# Altium PCB PCB.PcbDoc (part 2 of 2)
Units mm, origin at the board's own origin, x right, y up, seen from the top; angles counter-clockwise.
Board outline 130 x 110 mm, 4 copper layers (Top Layer, Int1 (GND), Int2 (PWR), Bottom Layer), stack 1.369 mm thick; 198 components, 115 nets, 608 pads, 274 vias.
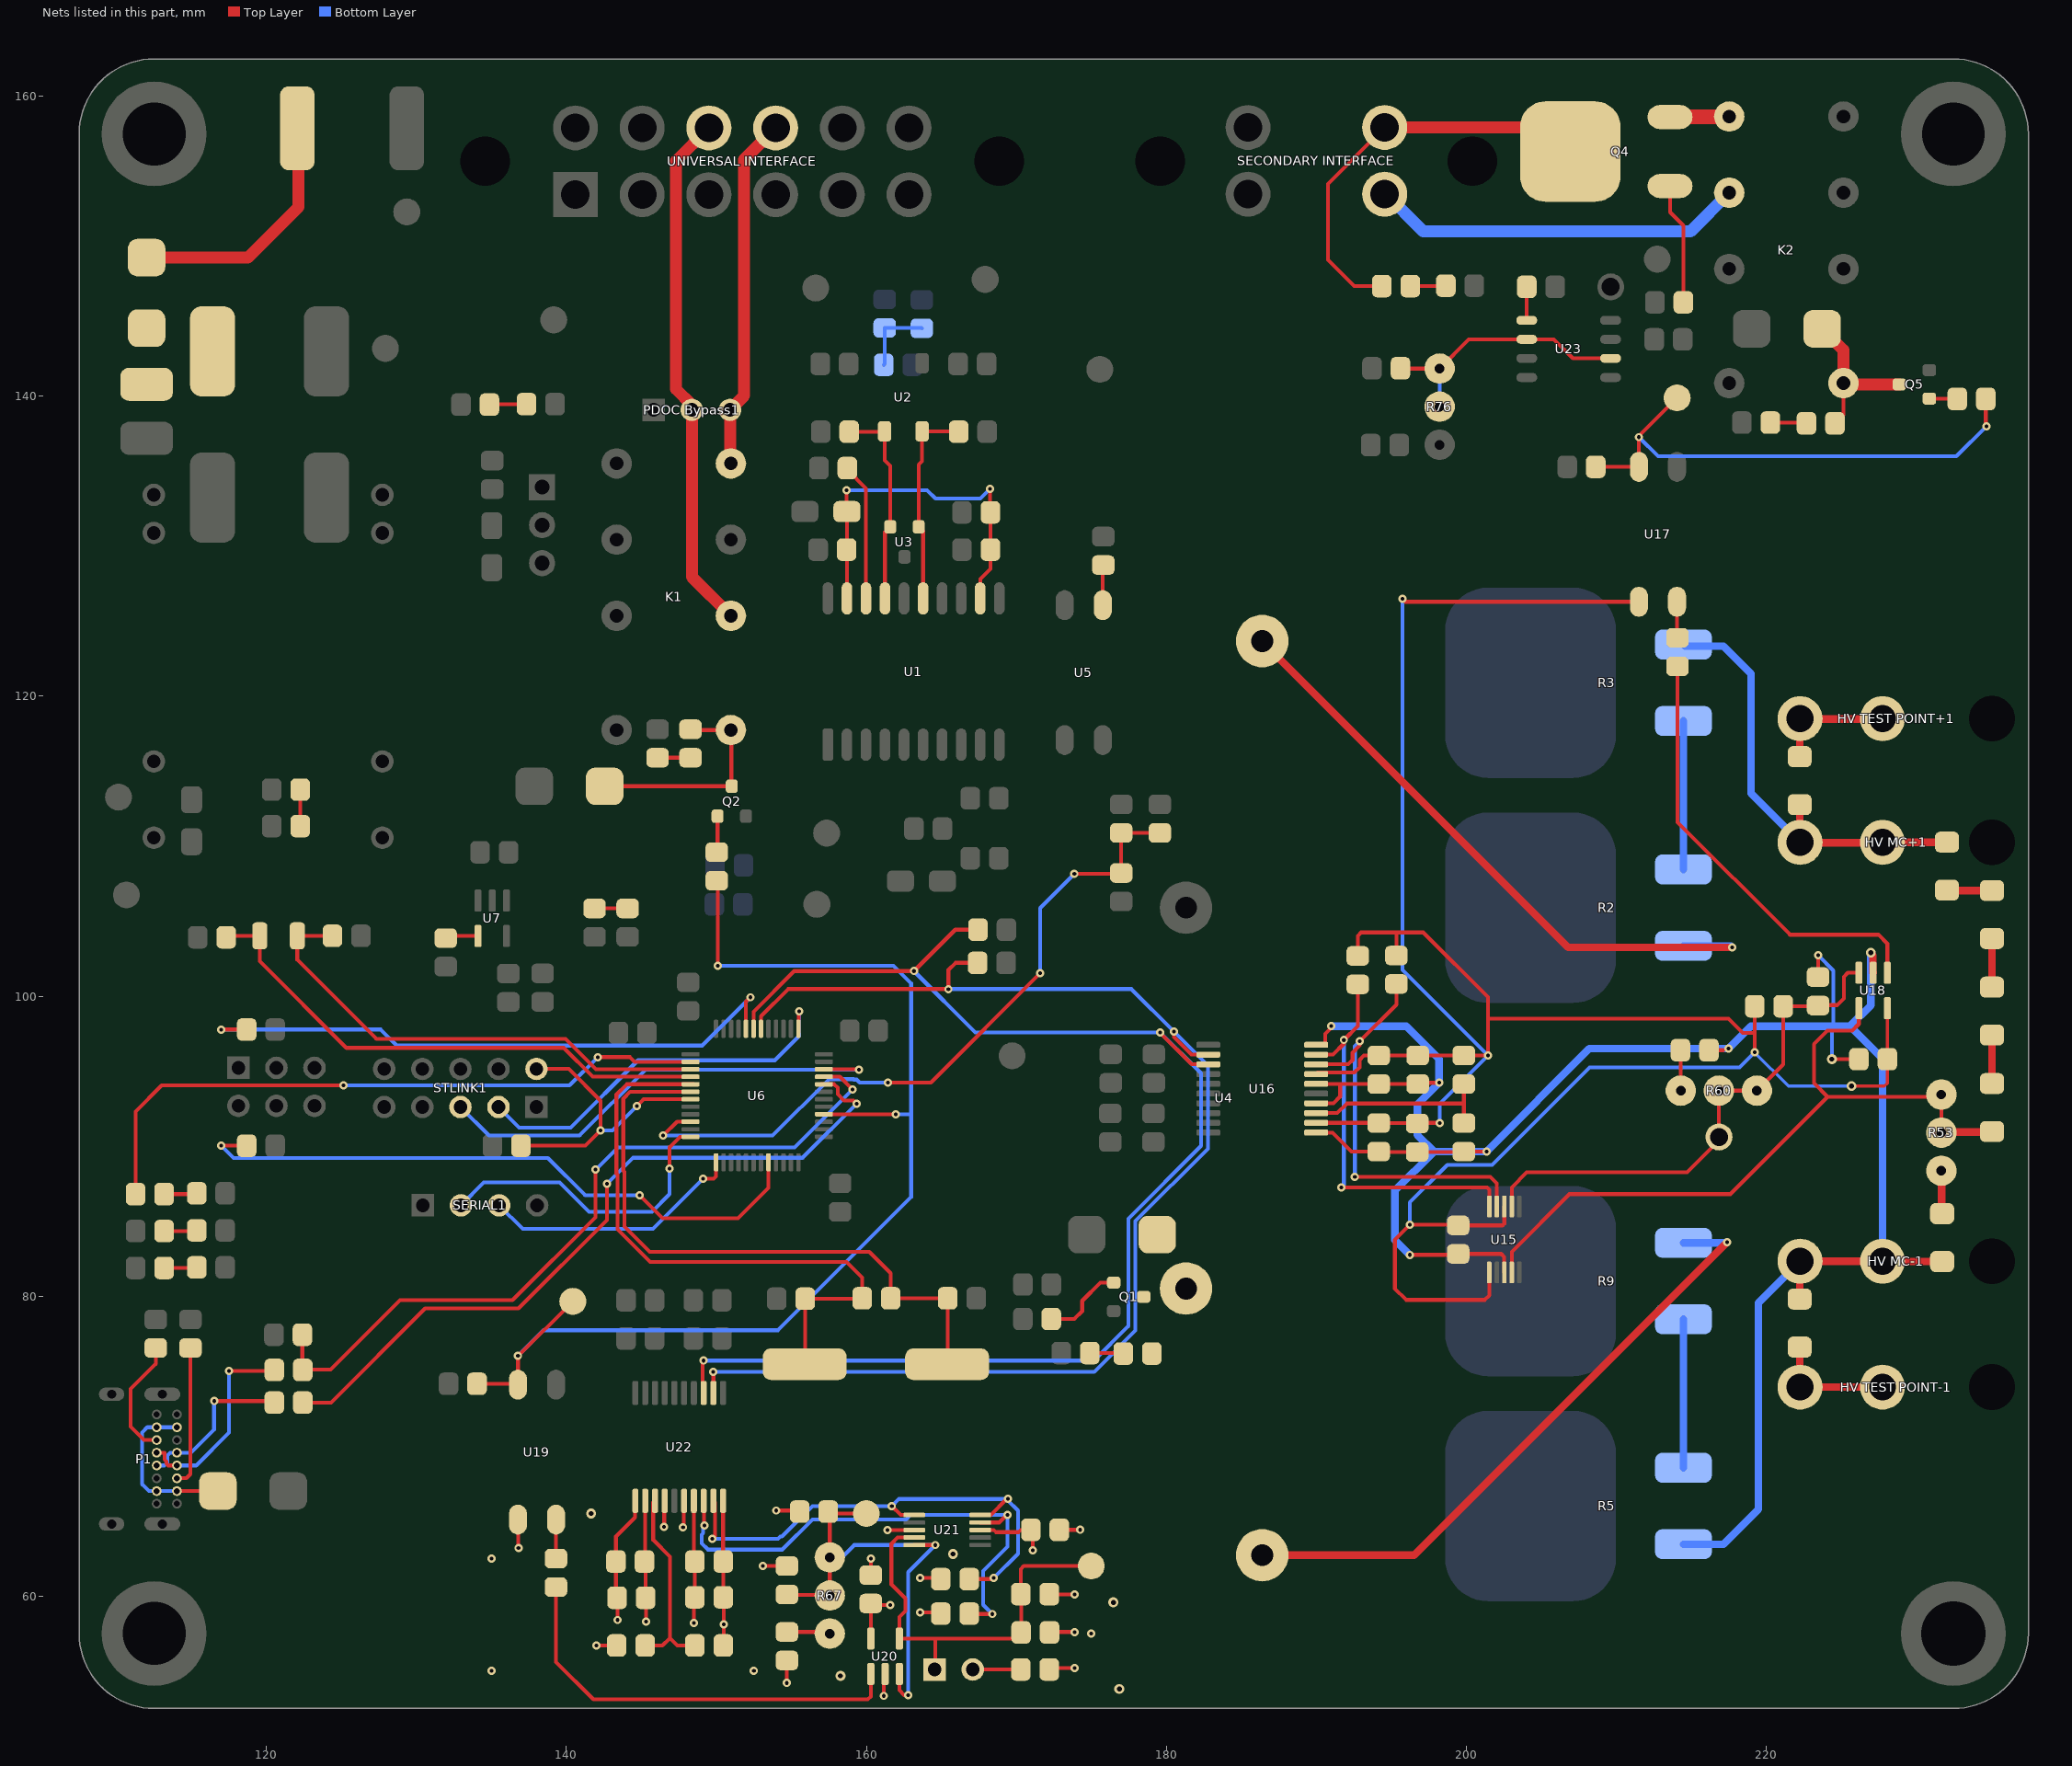
[diagram p4: the nets of this part, all layers, seen from the top]

## Via types
v1: diameter 0.55, hole 0.25, Top Layer to Bottom Layer, tented both sides, 247 vias
v2: diameter 0.66, hole 0.33, Top Layer to Bottom Layer, tented both sides, 19 vias
v3: diameter 0.66, hole 0.33, Top Layer to Bottom Layer, 8 vias

## Nets (pads, with @x,y where several pads share a name; then routed paths per layer and width w, separated by ;. In a path a pad name is that pad's centre, name@x,y a point inside that pad or via, vN(x,y) a via of type N, cw(c..) or ccw(c..) an arc to the next point about the centre after c; other vN are vias at no path point) (continued)
GNDISO: C48.1 C49.1 C50.1 C51.2 C52.1 C53.1 C54.1 C55.2 R65.1 R68.1 R72.1 U20.2 U21.3 U22.11 U22.14 U22.16 U22.20 | length 34.1
  Top Layer w0.254: v1(143.4,58.4) 143.4,59.856 C54.1@143.372,59.884 143.3,59.956 C55.2@143.3,62.3 143.3,63.968 144.573,65.241 144.573,66.32 U22.11@144.599,66.346 ; v1(146.5,64.6) 146.524,64.624 146.524,66.321 U22.14@146.549,66.346 ; v1(147.777,64.592) 147.824,64.639 147.824,66.321 U22.16@147.849,66.346 ; U22.20@150.449,66.346 150.449,62.313 C52.1@150.462,62.3 C53.1@150.462,59.915 150.5,59.877 v1(150.5,58.1) 150.5,56.738 R72.1@150.462,56.7 ; v1(153.1,62) C50.1@154.7,62 ; v1(154.7,54.2) R68.1@154.7,55.7 ; C49.1@160.3,61.4 v1(160.299,62.484) ; v1(161.163,53.34) 161.163,54.663 161.275,54.775 U20.2@161.25,54.8 ; v1(161.4,64.4) U21.3@163.2,64.4 ; R65.1@172.2,55.1 172.3,55.2 v1(173.9,55.2) ; C48.1@172.2,60.126 172.226,60.1 v1(173.9,60.1) ; C51.2@172.871,64.414 v1(174.271,64.414)
  other v1: 135,55 152.5,55 175,57.5 135,62.5
  other v2: 176.875,53.8 176.475,59.575 165.775,62.8
  other v3: 158.275,54.675 141.65,65.5
"Green In": "PDOC Bypass1.2" "UNIVERSAL INTERFACE.10" K1.13 | length 35
  Top Layer w0.8: 149.5,157.9 147.3,155.7 147.3,140.482 148.365,139.417 148.365,139.1 148.365,127.964 K1.13@150.964,125.365
"Green Out": "PDOC Bypass1.3" "UNIVERSAL INTERFACE.9" K1.9 | length 23.7
  Top Layer w0.8: K1.9@150.964,135.525 150.935,135.555 150.935,139.071 150.905,139.1 151.85,140.045 151.85,155.8 153.95,157.9
"HV MC+": "HV MC+1.1" "HV MC+1.2" R3.1 R29.2 R47.2 | length 30.3
  Top Layer w0.508: R29.2@222.25,112.775 222.263,112.762 222.263,110.244 222.276,110.231 227.776,110.231 ; 227.776,110.256 227.785,110.266 232.066,110.266 R47.2@232.075,110.275
  Bottom Layer w0.508: R3.1@214.5,123.45 214.612,123.338 217.162,123.338 219,121.5 219,113.532 222.276,110.256
"HV MC-": "HV MC-1.1" "HV MC-1.2" C37.2 C38.1 C39.1 C40.1 C41.2 C46.1 C47.1 R5.2 R30.2 R54.1 R56.1 R61.1 U15.3 U16.11 U16.14 U16.16 U16.20 U18.2 | length 157.8
  Top Layer w0.254: U16.11@190.006,90.903 191.097,90.903 192.362,89.638 C40.1@194.172,89.638 194.197,89.614 C41.2@196.745,89.614 199.827,89.614 R56.1@199.851,89.638 v1(201.362,89.638) ; U16.14@190.006,92.853 191.153,92.853 191.6,93.3 191.6,94.153 ; U16.16@190.006,94.153 191.6,94.153 ; U16.20@190.006,96.753 190.506,96.753 190.604,96.851 190.604,97.498 191,97.893 v1(191,98) ; v1(196.25,82.75) 199.412,82.75 C37.2@199.474,82.812 202.338,82.812 202.527,82.623 202.527,81.598 U15.3@202.55,81.575 ; v1(198.2,94.225) 196.863,94.225 C38.1@196.776,94.138 C39.1@194.172,94.138 194.157,94.153 191.6,94.153 ; R61.1@216.2,96.4 217.155,96.4 ; C47.1@223.478,101.276 v1(223.478,102.728) ; v3(224.4,95.8) C46.1@226.2,95.8
  Top Layer w0.508: R30.2@222.25,79.8 222.263,79.813 222.263,82.312 222.276,82.325 227.776,82.325 227.789,82.313 231.737,82.313 R54.1@231.75,82.3 ; v3(227,102.9) 227,102.859 227.137,102.722 227.137,101.575 U18.2@227.15,101.562
  Bottom Layer w0.254: v1(223.478,102.728) 224.5,101.706 224.5,98 224.4,97.9 v3(224.4,95.8)
  Bottom Layer w0.508: v1(191,98) 196,98 198.2,95.8 v1(198.2,94.225) 196.75,92.775 196.75,90.75 197.862,89.638 ; v1(196.25,82.75) 195.25,83.75 195.25,87.026 197.862,89.638 ; R5.2@214.5,63.451 217.162,63.451 219.5,65.789 219.5,79.549 222.276,82.325 ; v3(227,102.9) 227,99.4 225.6,98 ; 227.776,82.325 227.776,95.824 225.6,98 ; 197.862,89.638 v1(201.362,89.638) 208.224,96.5 v1(217.5,96.5) 219,98 224.5,98 225.6,98
HV_VDDISO: C37.1 C38.2 C39.2 C40.2 C41.1 C46.2 R51.2 R52.2 R55.2 R59.2 U15.1 U15.8 U16.12 U16.17 U17.1 U18.5 | length 177.6
  Top Layer w0.203: v3(225.7,94) 227.9,94 228.1,94.2 C46.2@228.1,95.8 U18.5@228.1,99.2
  Top Layer w0.254: U16.12@190.006,91.553 194.157,91.553 C40.2@194.172,91.538 196.72,91.538 C41.1@196.745,91.514 196.781,91.55 v1(198.25,91.55) ; U16.17@190.006,94.803 190.104,94.901 192.551,94.901 192.904,95.254 192.904,95.754 193.188,96.038 C39.2@194.172,96.038 C38.2@196.776,96.038 R55.2@199.851,96.038 v1(201.462,96.038) 201.462,98.5 ; R51.2@192.776,102.688 192.776,104.026 193,104.25 195.35,104.25 ; R52.2@195.351,102.713 195.351,104.249 195.35,104.25 ; v1(195.75,126.5) 195.95,126.3 U17.1@211.53,126.3 ; U15.1@201.55,81.575 201.55,80.05 201.25,79.75 196,79.75 195.25,80.5 195.25,83.75 v1(196.25,84.75) 199.436,84.75 C37.1@199.474,84.712 202.431,84.712 202.55,84.831 U15.8@202.55,85.975 ; v1(219.25,96.25) 219.25,97.538 ; R59.2@219.25,99.325 219.25,97.538 ; 195.35,104.25 197.15,104.25 201.462,99.938 201.462,98.5 ; 201.462,98.5 217.5,98.5 218.462,97.538 219.25,97.538
  Bottom Layer w0.203: v1(219.25,96.25) 221.5,94 v3(225.7,94)
  Bottom Layer w0.254: v1(195.75,126.5) 195.75,101.75 v1(201.462,96.038) 198.25,92.826 v1(198.25,91.55) ; v1(196.25,84.75) 196.25,86.25 198.75,88.75 201.75,88.75 208.25,95.25 218.25,95.25 v1(219.25,96.25)
NetC3_2: C3.2 C4.2 C5.2 C6.2 U1.12 U1.19 | length 24.9
  Top Layer w0.254: v1(158.683,133.74) 158.683,132.339 C4.2@158.705,132.317 158.705,129.793 C6.2@158.689,129.777 158.706,129.76 U1.19@158.706,126.523 ; U1.12@167.596,126.523 167.596,127.819 168.28,128.503 C5.2@168.28,129.777 C3.2@168.28,132.262 168.259,132.283 v1(168.259,133.841)
  Bottom Layer w0.254: v1(158.683,133.74) 164.056,133.74 164.614,133.181 167.598,133.181 v1(168.259,133.841)
NetC9_2: "CAN TERM R1.1" "CAN TERM R2.2" C9.2 | length 5
  Bottom Layer w0.254: C9.2@161.162,142.099 161.224,142.161 161.224,144.563 163.677,144.563 163.701,144.539
NetC12_2: C12.2 U1.15 U2.4 U3.1 | length 13.8
  Top Layer w0.254: U1.15@163.786,126.523 163.786,131.002 U3.1@163.494,131.295 163.494,135.444 163.719,135.669 U2.4@163.719,137.665 166.129,137.665 C12.2@166.155,137.638
NetC13_2: C13.2 U1.17 U2.3 U3.2 | length 13.8
  Top Layer w0.254: C13.2@158.855,137.638 161.193,137.638 U2.3@161.219,137.665 161.219,135.731 161.594,135.356 U3.2@161.594,131.295 161.246,130.947 U1.17@161.246,126.523
NetC24_2: C24.2 U7.4 | length 2.2
  Top Layer w0.254: C24.2@131.95,103.875 132.088,104.013 U7.4@134.1,104.013
NetC29_2: C29.2 D6.K L1.2
NetC47_2: "TSAL REF TP1.1" C47.2 R59.1 R60.1 R60.2 U15.7 U18.3 | length 35.5
  Top Layer w0.254: U15.7@203.05,85.975 203.05,87.25 204.05,88.25 214.75,88.25 216.869,90.369 216.869,90.611 216.865,90.616 216.865,93.695 R60.2@216.86,93.7 R60.1@219.4,93.7 221.15,95.45 R59.1@221.15,99.325 223.427,99.325 C47.2@223.478,99.376 223.602,99.5 223.702,99.4 224.751,99.4 225.2,99.849 225.2,101.3 225.462,101.562 U18.3@226.2,101.562
NetC48_2: "PDOC NTC1.1" "PDOC TEMP TP.1" C48.2 R63.1 U20.4 U21.4 | length 28
  Top Layer w0.254: U21.4@163.2,63.9 162.094,63.9 161.671,63.477 161.671,60.782 162.611,59.842 162.611,59.004 162.2,58.593 U20.4@162.2,57.162 164.6,57.162 ; 164.6,55.1 164.6,57.162 ; 175,62 170.5,62 170.3,61.8 C48.2@170.3,60.126 170.324,60.102 R63.1@170.324,57.574 169.913,57.162 164.6,57.162
NetC50_2: "PDOC TEMP REF TP.1" C50.2 R66.1 R67.1 R67.2 U20.3 U21.5 | length 32.2
  Top Layer w0.254: C50.2@154.7,60.1 154.734,60.066 157.529,60.066 R67.2@157.563,60.032 R67.1@157.563,62.572 157.563,65.525 157.588,65.5 160,65.5 ; U20.3@162.2,54.8 162.2,53.713 162.522,53.391 v1(162.789,53.391) ; U21.5@163.2,63.4 v1(164.6,63.4)
  Bottom Layer w0.254: R67.1@157.563,62.572 158.363,62.572 159.191,63.4 v1(164.6,63.4) 162.789,61.589 v1(162.789,53.391)
NetC60_2: C60.2 U23.5 | length 2.2
  Top Layer w0.254: U23.5@204.05,145.07 C60.2@204.05,147.3
"NetCAN RX INDC1_K": "CAN RX INDC1.K" R14.2 | length 2.2
  Top Layer w0.254: R14.2@113.163,81.874 115.295,81.874 115.337,81.916
"NetCAN TX INDC1_K": "CAN TX INDC1.K" R13.2 | length 2.2
  Top Layer w0.254: R13.2@113.163,84.337 115.29,84.337 115.337,84.384
NetD1_A: D1.A D2.K Q1.D U4.3
NetD2_A: D2.A R4.1 | length 2.3
  Top Layer w0.254: R4.1@174.9,76.2 177.107,76.2 D2.A@177.138,76.169
NetD3_K: D3.K R11.2 | length 2.2
  Top Layer w0.254: R11.2@141.875,105.85 D3.K@144.08,105.85
NetD4_K: D4.K R12.2 | length 2.2
  Top Layer w0.254: R12.2@113.163,86.799 115.285,86.799 D4.K@115.337,86.851
NetD5_A: D5.A P1.A4 P1.A9 P1.B4 P1.B9 | length 11.2
  Top Layer w0.254: P1.A4@114.025,67.002 116.748,67.002 D5.A@116.75,67
  Bottom Layer w0.254: P1.A4@114.025,67.002 P1.B9@112.675,67.002 112.148,67.002 111.7,67.45 111.7,70.907 112.045,71.252 P1.B4@112.675,71.252 P1.A9@114.025,71.252
NetD6_A: D6.A F1.2 | length 17
  Top Layer w0.8: D6.A@112,149.25 118.75,149.25 122.125,152.625 F1.2@122.125,158.15
NetD7_K: D7.K R25.2 | length 2.5
  Top Layer w0.254: R25.2@134.863,139.449 134.894,139.48 D7.K@137.337,139.48
NetD8_K: D8.K R26.2 | length 2.4
  Top Layer w0.254: R26.2@122.238,111.344 D8.K@122.238,113.774
NetD11_A: D11.A K1.16 Q2.D R33.1 | length 15
  Top Layer w0.254: D11.A@142.55,114 Q2.D@151.025,114 150.995,114.03 150.995,117.715 K1.16@150.964,117.745 148.33,117.745 R33.1@148.275,117.8
NetD12_K: D12.K R33.2 | length 2.2
  Top Layer w0.254: D12.K@146.075,115.9 R33.2@148.275,115.9
NetD14_K: D14.K R73.2 | length 2.4
  Top Layer w0.254: R73.2@196.286,147.352 198.62,147.352 D14.K@198.652,147.383
NetD15_A: D15.A D16.K K2.16 Q5.D | length 10.9
  Top Layer w0.254: D16.K@224.6,138.2 225.17,138.77 K2.16@225.17,140.88
  Top Layer w0.8: D15.A@223.75,144.5 225.17,143.08 K2.16@225.17,140.88 225.25,140.8 Q5.D@228.9,140.8
NetD16_A: D16.A R79.1 | length 2.4
  Top Layer w0.254: R79.1@220.3,138.25 222.65,138.25 D16.A@222.7,138.2
"NetHV TEST POINT+1_1": "HV TEST POINT+1.1" "HV TEST POINT+1.2" R29.1 | length 8
  Top Layer w0.508: R29.1@222.25,115.975 222.263,115.988 222.263,118.468 222.276,118.481 227.776,118.481
"NetHV TEST POINT-1_1": "HV TEST POINT-1.1" "HV TEST POINT-1.2" R30.1 | length 8.2
  Top Layer w0.508: R30.1@222.25,76.6 222.263,76.587 222.263,73.944 222.276,73.931 227.776,73.931
NetK2_8: K2.8 Q4.S | length 4
  Top Layer w1: Q4.S@213.6,158.625 213.617,158.642 217.533,158.642 K2.8@217.55,158.66
NetP1_A5: P1.A5 R22.1 | length 9.4
  Top Layer w0.254: P1.A5@114.025,67.852 114.655,67.852 114.926,68.123 R22.1@114.926,76.538
NetP1_A6: P1.A6 P1.B6 R20.1 | length 13.5
  Top Layer w0.254: P1.B6@112.675,69.552 113.198,69.552 113.198,69.101 113.327,68.972 113.327,68.831 113.456,68.702 P1.A6@114.025,68.702 ; v1(117.5,75) 120.439,75 R20.1@120.513,75.074
  Bottom Layer w0.254: P1.A6@114.141,68.702 115.302,68.702 117.5,70.9 v1(117.5,75)
NetP1_A7: P1.A7 P1.B7 R21.1 | length 11
  Top Layer w0.254: v1(116.5,73) 120.413,73 R21.1@120.513,72.9
  Bottom Layer w0.254: P1.B7@112.757,68.702 113.175,68.702 113.387,68.915 113.387,69.362 113.577,69.552 P1.A7@114.025,69.552 114.952,69.552 116.5,71.1 v1(116.5,73)
NetP1_B5: P1.B5 R23.1 | length 8
  Top Layer w0.254: R23.1@112.61,76.538 112.61,75.485 110.937,73.812 110.937,71.288 111.823,70.402 P1.B5@112.675,70.402
"NetPDOC NTC1_2": "PDOC NTC1.2" R65.2 | length 3.2
  Top Layer w0.254: 167.14,55.1 R65.2@170.3,55.1
NetQ1_G: Q1.G R8.2 | length 5.6
  Top Layer w0.254: R8.2@172.338,78.474 173.874,78.474 174.4,79 174.4,79.683 175.617,80.9 Q1.G@176.5,80.9
NetQ2_G: Q2.G R34.2 | length 2.4
  Top Layer w0.254: R34.2@150.025,109.6 150.075,109.65 Q2.G@150.075,112
NetQ4_G: Q4.G R75.2 | length 8.1
  Top Layer w0.254: Q4.G@213.6,154.025 213.6,152.275 214.488,151.387 R75.2@214.488,146.274
NetQ5_G: Q5.G R78.2 | length 1.9
  Top Layer w0.254: Q5.G@230.9,139.85 232.738,139.85 R78.2@232.762,139.826
NetR1_2: R1.2 U1.18 | length 9.2
  Top Layer w0.254: R1.2@158.732,135.212 158.732,135.112 159.976,133.868 U1.18@159.976,126.523
NetR2_1: R2.1 R3.2 | length 9.9
  Bottom Layer w0.508: R2.1@214.5,108.45 R3.2@214.5,118.35
NetR2_2: R2.2 U4.1 | length 43.1
  Top Layer w0.508: U4.1@186.38,123.68 206.81,103.25 v1(217.75,103.25)
  Bottom Layer w0.508: R2.2@214.5,103.35 217.65,103.35 v1(217.75,103.25)
NetR5_1: R5.1 R9.2 | length 9.9
  Bottom Layer w0.508: R5.1@214.5,68.551 R9.2@214.5,78.451
NetR6_1: R6.1 U5.1 | length 2.7
  Top Layer w0.254: U5.1@175.77,126.075 175.77,128.72 R6.1@175.8,128.75
NetR9_1: R9.1 U4.4 | length 42.6
  Top Layer w0.508: U4.4@186.38,62.72 U4.4@186.405,62.72 196.52,62.72 v1(217.4,83.6)
  Bottom Layer w0.508: R9.1@214.5,83.551 217.351,83.551 v1(217.4,83.6)
NetR15_1: R15.1 U6.20 | length 42.9
  Top Layer w0.254: v1(116.975,90.025) R15.1@118.675,90.025 ; v1(144.875,86.725) 146.408,85.192 151.45,85.192 153.475,87.217 U6.20@153.475,89.125
  Bottom Layer w0.254: v1(116.975,90.025) 117.789,89.211 138.764,89.211 141.25,86.725 v1(144.875,86.725)
NetR18_2: R18.2 U6.44 | length 41.2
  Top Layer w0.254: v1(116.975,97.775) R18.2@118.675,97.775 ; U6.44@151.975,97.625 151.975,99.625 v1(152.275,99.925)
  Bottom Layer w0.254: v1(116.975,97.775) 127.612,97.775 128.68,96.707 149.057,96.707 v1(152.275,99.925)
NetR47_1: R47.1 R48.2 | length 3
  Top Layer w0.508: R47.1@232.075,107.075 232.108,107.042 R48.2@235.075,107.042
NetR48_1: R48.1 R49.2 | length 3.2
  Top Layer w0.508: R49.2@235.075,100.608 R48.1@235.075,103.842
NetR49_1: R49.1 R50.2 | length 3.2
  Top Layer w0.508: R50.2@235.075,94.175 R49.1@235.075,97.408
NetR50_1: R50.1 R53.2 R53.3 U15.4 U18.4 | length 48.7
  Top Layer w0.254: U15.4@203.05,81.575 203.05,82.95 206.9,86.8 217.622,86.8 224.111,93.289 ; U18.4@226.2,99.2 226.2,98.149 225.751,97.7 224.1,97.7 223.2,96.8 223.2,94.2 224.111,93.289 ; R53.2@231.7,90.9 R53.3@231.7,93.44 231.549,93.289 224.111,93.289
  Top Layer w0.508: R53.2@231.7,90.9 231.737,90.937 234.785,90.937 R50.1@234.949,91.101
NetR51_1: R51.1 U15.10 U16.19 | length 27.5
  Top Layer w0.254: U16.19@190.006,96.103 191.127,96.103 191.85,96.826 v1(191.85,97.075) 192.776,98.001 R51.1@192.776,100.788 ; v1(191.668,87.249) 201.401,87.249 201.55,87.1 U15.10@201.55,85.975
  Bottom Layer w0.254: v1(191.668,87.249) 191.85,87.431 v1(191.85,97.075)
NetR52_1: R52.1 U15.9 U16.18 | length 29.2
  Top Layer w0.254: U16.18@190.006,95.453 192.151,95.453 192.43,95.733 192.43,96.23 192.913,96.713 v1(192.913,96.997) 195.351,99.436 R52.1@195.351,100.813 ; v1(192.583,87.96) 201.615,87.96 202.05,87.525 U15.9@202.05,85.975
  Bottom Layer w0.254: v1(192.583,87.96) 192.583,96.667 v1(192.913,96.997)
NetR53_1: R53.1 R54.2 | length 2.9
  Top Layer w0.508: R53.1@231.7,88.36 231.725,88.335 231.725,85.525 R54.2@231.75,85.5
NetR58_1: R58.1 U18.1 | length 29.7
  Top Layer w0.254: R58.1@214.1,122 214.1,111.6 221.6,104.1 227.5,104.1 228.1,103.5 U18.1@228.1,101.562
NetR58_2: R58.2 U17.2 | length 2.4
  Top Layer w0.254: U17.2@214.07,126.3 214.07,123.93 R58.2@214.1,123.9
NetR60_3: R60.3 R61.2 | length 2.7
  Top Layer w0.254: R61.2@214.3,96.4 214.32,96.38 R60.3@214.32,93.7
NetR64_1: R64.1 U20.1 | length 28.6
  Top Layer w0.254: R64.1@139.3,60.6 139.3,55.6 141.8,53.1 160.1,53.1 160.3,53.3 U20.1@160.3,54.8
NetR64_2: R64.2 U19.2 | length 2.6
  Top Layer w0.254: R64.2@139.3,62.5 139.3,65.09 U19.2@139.306,65.096
NetR67_3: R67.3 R68.2 | length 2.9
  Top Layer w0.254: R68.2@154.7,57.6 157.455,57.6 R67.3@157.563,57.492
NetR69_1: R69.1 U21.1 U21.10 U22.19 | length 35.4
  Top Layer w0.254: v1(149.733,63.805) 149.911,63.983 149.911,66.234 U22.19@149.799,66.346 ; v1(161.7,66) 162.3,65.4 U21.1@163.2,65.4 ; R69.1@166.862,61.126 168.426,61.126 v1(168.5,61.2) ; U21.10@167.6,65.4 168.3,65.4 169.369,66.469 v1(169.455,66.469)
  Bottom Layer w0.254: v1(149.733,63.805) 154.103,63.805 154.255,63.957 154.37,63.957 156.413,66 v1(161.7,66) 162.169,66.469 v1(169.455,66.469) 169.455,66.361 170.117,65.7 170.117,62.817 v1(168.5,61.2)
NetR70_1: R70.1 U21.9 U22.18 | length 35.5
  Top Layer w0.254: U22.18@149.149,66.346 149.174,66.32 149.174,64.725 v1(149.2,64.7) ; R70.1@166.862,58.826 166.888,58.8 v1(168.4,58.8) ; U21.9@167.6,64.9 168.862,64.9 169.367,65.405 v1(169.405,65.405)
  Bottom Layer w0.254: v1(149.2,64.7) 149.122,64.622 149.122,64.2 149.022,64.099 149.022,63.51 149.438,63.094 154.394,63.094 156.411,65.111 162.651,65.111 162.945,65.405 v1(169.405,65.405) 169.405,63.284 167.789,61.668 167.789,59.411 v1(168.4,58.8)
NRST: R31.1 STLINK1.2 U6.7 | length 19.9
  Top Layer w0.254: R31.1@136.962,90.026 141.251,90.026 v1(142.275,91.05) 142.275,93.025 140.15,95.15 STLINK1.2@138.005,95.15 ; v1(144.704,92.685) 145.144,93.125 U6.7@148.475,93.125
  Bottom Layer w0.254: v1(142.275,91.05) 143.069,91.05 v1(144.704,92.685)
PC13: R12.1 U6.2 | length 44.4
  Top Layer w0.254: R12.1@111.263,86.799 111.263,92.313 113,94.05 v1(125.125,94.05) ; v1(142.088,95.936) 144.238,95.936 144.549,95.625 U6.2@148.475,95.625
  Bottom Layer w0.254: v1(125.125,94.05) 140.202,94.05 v1(142.088,95.936)
"PCB TEMP": "PCB NTC1.2" C14.2 R10.1 U6.10 | length 48.2
  Top Layer w0.254: v1(146.456,90.703) 147.378,91.625 U6.10@148.475,91.625 ; v1(161.442,94.234) 164.309,94.234 v1(171.6,101.525) ; v1(173.875,108.15) 176.934,108.15 R10.1@176.996,108.212 176.996,110.885 C14.2@179.574,110.885
  Bottom Layer w0.254: v1(146.456,90.703) 153.753,90.703 157.513,94.463 159.141,94.463 159.168,94.436 159.354,94.436 159.556,94.234 v1(161.442,94.234) ; v1(171.6,101.525) 171.6,105.875 v1(173.875,108.15)
"PDOC OK (ISO)": "PDOC OK TP.1" R34.1 R62.1 U6.28 U19.4 | length 79.8
  Top Layer w0.254: R62.1@134.037,74.151 136.711,74.151 U19.4@136.766,74.096 v1(136.766,76.016) 136.791,76.016 140.425,79.65 ; R34.1@150.025,107.7 150.1,107.625 v1(150.1,102.025) ; U6.28@156.975,92.125 v1(161.95,92.125)
  Bottom Layer w0.254: v1(136.766,76.016) 138.475,77.725 154.103,77.725 162.986,86.608 162.986,92.125 ; v1(150.1,102.025) 161.819,102.025 162.986,100.858 162.986,92.125 ; v1(161.95,92.125) 162.986,92.125
SCL: R16.1 U6.42 U16.2 U22.2 | length 90.6
  Top Layer w0.254: U22.2@149.799,73.546 v1(149.799,74.949) ; U6.42@152.975,97.625 152.975,98.67 154.78,100.475 v1(165.475,100.475) 165.475,101.75 165.947,102.222 R16.1@167.418,102.222 ; v1(180.518,97.638) 180.518,97.278 181.693,96.103 U16.2@182.806,96.103
  Bottom Layer w0.254: v1(149.799,74.949) 175.199,74.949 177.95,77.7 177.95,84.996 182.782,89.828 182.782,95.373 v1(180.518,97.638) 177.68,100.475 v1(165.475,100.475)
SDA: R17.1 U6.43 U16.3 U22.3 | length 95
  Top Layer w0.254: U22.3@149.149,73.546 149.088,73.607 149.088,75.638 v1(149.149,75.699) ; U6.43@152.475,97.625 152.475,98.957 155.193,101.675 v1(163.175,101.675) 165.932,104.432 R17.1@167.443,104.432 ; v1(179.603,97.587) 179.603,97.546 181.697,95.453 U16.3@182.806,95.453
  Bottom Layer w0.254: v1(149.149,75.699) 175.174,75.699 177.475,78 177.475,85.168 182.325,90.018 182.325,94.865 v1(179.603,97.587) 167.263,97.587 v1(163.175,101.675)
SWCLK: STLINK1.3 U6.37 | length 26.2
  Top Layer w0.254: U6.37@155.475,97.625 155.5,97.65 155.5,98.975 v1(155.525,99)
  Bottom Layer w0.254: STLINK1.3@135.465,92.61 136.85,91.225 140.275,91.225 144.775,95.725 153.9,95.725 155.525,97.35 v1(155.525,99)
SWDIO: STLINK1.5 U6.34 | length 31.5
  Top Layer w0.254: U6.34@157.175,95.125 159.485,95.125 v1(159.512,95.098)
  Bottom Layer w0.254: STLINK1.5@132.925,92.61 134.835,90.7 140.875,90.7 145.273,95.098 v1(159.512,95.098)
Trigger: C61.2 R76.1 R76.2 U23.2 U23.6 | length 17.9
  Top Layer w0.254: C61.2@195.625,141.875 195.649,141.851 R76.1@198.234,141.851 200.183,143.8 U23.6@204.05,143.8 205.85,143.8 207.12,142.53 U23.2@209.638,142.53
  Bottom Layer w0.254: R76.2@198.234,139.311 R76.1@198.234,141.851
"TSAL Active": "TSAL RELAY TP.1" R57.1 R78.1 U17.4 | length 35
  Top Layer w0.254: R57.1@208.65,135.298 211.528,135.298 U17.4@211.53,135.3 v1(211.53,137.28) 211.53,137.355 214.075,139.9 ; v1@234.662,137.938 R78.1@234.662,139.826
  Bottom Layer w0.254: v1(211.53,137.28) 212.81,136 232.7,136 v1(234.7,138)
"TSAL Green": "SECONDARY INTERFACE.3" K2.6 | length 25.1
  Bottom Layer w0.8: 194.575,153.58 197.155,151 214.97,151 K2.6@217.55,153.58
"TSAL Red": "SECONDARY INTERFACE.4" Q4.D R73.1 | length 27.7
  Top Layer w0.254: R73.1@194.386,147.352 192.548,147.352 190.8,149.1 190.8,154.155 194.575,157.93
  Top Layer w0.8: 194.575,157.93 205.345,157.93 Q4.D@206.95,156.325
UARTRX: SERIAL1.3 U6.13 | length 17.7
  Top Layer w0.254: v1(149.125,87.825) 149.825,87.825 149.975,87.975 U6.13@149.975,89.125
  Bottom Layer w0.254: SERIAL1.3@135.505,86.05 137.08,84.475 145.775,84.475 v1(149.125,87.825)
UARTTX: SERIAL1.2 U6.12 | length 20.9
  Top Layer w0.254: v1(146.875,88.5) 146.875,89.925 147.57,90.62 148.47,90.62 U6.12@148.475,90.625
  Bottom Layer w0.254: SERIAL1.2@132.965,86.05 134.49,87.575 139.55,87.575 141.5,85.625 145.7,85.625 146.875,86.8 v1(146.875,88.5)
USBDM: R21.2 U6.32 | length 49.8
  Top Layer w0.254: R21.2@122.413,72.9 124.3,72.9 130.575,79.175 136.8,79.175 142.697,85.072 v1(142.697,87.478) ; U6.32@156.975,94.125 U6.32@157.175,94.125 157.861,94.125 158.09,93.896 158.09,93.46 158.51,93.04 159.135,93.04 v1(159.35,92.825)
  Bottom Layer w0.254: v1(142.697,87.478) 144.445,89.225 155.75,89.225 v1(159.35,92.825)
USBDP: R19.1 R20.2 U6.33 | length 51.1
  Top Layer w0.254: R19.1@122.388,77.426 122.388,75.098 124.273,75.098 128.9,79.725 136.4,79.725 141.925,85.25 v1(141.925,88.45) ; U6.33@156.975,94.625 U6.33@157.175,94.625 158.237,94.625 v1(159.083,93.78)
  Bottom Layer w0.254: v1(141.925,88.45) 141.975,88.45 143.441,89.916 155.219,89.916 v1(159.083,93.78)
V_SEL: R71.1 R72.2 U22.13 | length 13.4
  Top Layer w0.254: R71.1@145.248,56.7 146.4,56.7 146.9,57.2 ; U22.13@145.899,66.346 145.789,66.236 145.789,63.736 146.9,62.625 146.9,57.2 ; R72.2@148.562,56.7 147.4,56.7 146.9,57.2
VDDISO: C49.2 C51.1 C52.2 C53.2 C54.2 C55.1 R63.2 R66.2 R69.2 R70.2 R71.2 U19.1 U20.5 U21.8 U22.12 U22.17 | length 33.6
  Top Layer w0.254: U19.1@136.766,65.096 136.783,65.079 136.783,63.217 v1(136.8,63.2) ; v1(142,56.7) R71.2@143.348,56.7 ; U22.12@145.249,66.346 145.249,62.349 C55.1@145.2,62.3 145.272,62.228 C54.2@145.272,59.884 145.3,59.856 v1(145.3,58.3) ; U22.17@148.499,66.346 148.489,66.336 148.489,62.373 C52.2@148.562,62.3 C53.2@148.562,59.915 148.5,59.853 v1(148.5,58.2) ; v1(154,65.7) 155.488,65.7 R66.2@155.562,65.626 ; U20.5@160.3,57.162 C49.2@160.3,59.5 160.4,59.4 v1(161.6,59.4) ; v1(163.6,58.9) 164.888,58.9 R70.2@164.962,58.826 ; v1(163.6,61.2) 164.888,61.2 R69.2@164.962,61.126 ; U21.8@167.6,64.4 168.503,64.4 168.641,64.262 170.162,64.262 170.3,64.4 ; C51.1@170.971,64.414 171.094,64.29 v1(171.094,63.043) ; R63.2@172.224,57.574 172.251,57.6 v1(173.9,57.6)
VSEL: R55.1 R56.2 U16.13 | length 12.7
  Top Layer w0.254: U16.13@190.006,92.203 191.403,92.203 192.038,92.838 199.851,92.838 ; R56.2@199.851,91.538 199.851,92.838 ; R55.1@199.851,94.138 199.851,92.838
XTALA: C25.2 R24.2 U6.5 X1.2 | length 41.7
  Top Layer w0.254: U6.5@148.475,94.125 144.024,94.125 143.332,93.433 143.332,88.172 143.408,88.096 143.408,84.445 145.578,82.275 158.675,82.275 159.725,81.225 R24.2@159.725,79.856 159.694,79.825 C25.2@155.925,79.825 155.925,75.491 X1.2@155.89,75.456
XTALB: C26.2 R24.1 U6.6 X1.1 | length 42.4
  Top Layer w0.254: U6.6@148.475,93.625 144.247,93.625 143.789,93.167 143.789,88.361 143.866,88.285 143.866,84.634 145.55,82.95 160.2,82.95 161.625,81.525 R24.1@161.625,79.856 C26.2@165.425,79.856 165.425,75.491 X1.1@165.39,75.456
XTALC: C15.2 U6.3 X2.1 | length 33.4
  Top Layer w0.254: C15.2@124.4,104.025 X2.1@122.05,104.025 122.05,102.425 127.325,97.15 139.946,97.15 141.971,95.125 U6.3@148.475,95.125
XTALD: C16.2 U6.4 X2.2 | length 36.2
  Top Layer w0.254: C16.2@117.25,103.875 C16.2@117.3,103.925 117.4,104.025 X2.2@119.55,104.025 119.55,102.325 125.325,96.55 139.825,96.55 141.75,94.625 U6.4@148.275,94.625 U6.4@148.475,94.625
pads on no net: "HV MC+1." "HV MC-1." "HV TEST POINT+1." "HV TEST POINT-1." "PDOC Bypass1.1" "SECONDARY INTERFACE.0" "UNIVERSAL INTERFACE.0" K1.4 K1.6 K1.8 K1.11 K2.9 K2.11 K2.13 P1.A8 P1.B8 P1.P2 P1.P3 P1.P4 R2. R3. R5. R9. STLINK1.4 STLINK1.6 STLINK1.9 STLINK1.10 U1.2 U1.14 U6.11 U6.14 U6.15 U6.16 U6.17 U6.21 U6.25 U6.26 U6.27 U6.29 U6.30 U6.31 U6.38 U6.39 U6.40 U6.41 U9.9 U9.11 U15.2 U15.5 U15.6 U16.6 U16.15 U21.2 U21.6 U21.7 U22.6 U22.15
copper on no net:
  other v2: 125.55,95.475

## Polygon pours and split planes (outlines as drawn)
GNDISO on Bottom Layer "Bottom Layer-GNDISO" (solid, remove dead copper, pour order 52): 131.725,52.5 131.725,66.9 132.85,66.9 132.875,66.875 178.45,66.875 178.45,52.5
GLV- on Bottom Layer "Bottom Layer-GLV-" (solid, remove dead copper, pour order 48): 107.5,124.6 178.45,124.6 178.45,133.75 237.525,133.75 237.525,162.5 107.5,162.5
"0V (ISO)" on Bottom Layer "Bottom Layer-0V (ISO)" (solid, remove dead copper, pour order 40): 107.5,118.6 180.225,118.6 183.45,115.375 183.45,72.9 125.725,72.9 125.725,52.5 107.5,52.5
no net on Bottom Layer "Bottom Layer-No Net 2" (solid, pour order 20): 114,114
no net on Bottom Layer "Bottom Layer-No Net" (solid, pour order 2): 309.5,453.7
no net on Bottom Layer "Bottom Layer-No Net 1" (solid, pour order 0): 309.5,453.7
GNDISO on Top Layer "Top Layer-GNDISO" (solid, remove dead copper, pour order 50): 131.725,66.875 178.45,66.875 178.45,52.5 131.725,52.5
GLV- on Top Layer "Top Layer-GLV-" (solid, remove dead copper, pour order 42): 107.5,124.6 178.45,124.6 178.45,133.75 237.5,133.75 237.5,162.5 107.5,162.5
"0V (ISO)" on Top Layer "Top Layer-0V (ISO)" (solid, remove dead copper, pour order 38): 107.489,118.598 180.214,118.598 183.439,115.373 183.439,72.898 125.714,72.898 125.714,52.523 125.739,52.498 107.489,52.498
NetC29_2 on Top Layer "Top Layer-NetC29_2" (solid, pour order 36): 109,146.5 118.5,146.5 118.5,139.5 109,139.5
12V/24V on Top Layer "Top Layer-12V/24V" (solid, pour order 24): 111,137.5 118.5,137.5 118.5,129.25 111,129.25
GLV- on Top Layer "Top Layer-GLV- 1" (solid, pour order 22): 121.5,146.5 129.5,146.5 129.5,129.25 121.5,129.25
NetD1_A on Top Layer "Top Layer-NetD1_A" (solid, pour order 18): 178,86.5 178,75 183.5,75 183.5,86.5
"5V (ISO)" on Top Layer "Top Layer-5kW (ISO)" (solid, pour order 14): 124.5,70.75 124.5,64.6 119.5,64.6 119.5,70.75
"3.3V (ISO)" on Top Layer "Top Layer-3.3V (ISO)" (solid, pour order 6): 140.2,100.625 134.95,100.625 134.95,105.125 140.2,105.125
no net on Top Layer "Top Layer-No Net" (solid, pour order 44): 107.5,124.6
GLV- on Int1 (GND) (split plane): 232.794,161.982 233.086,161.953 233.376,161.906 233.663,161.839 233.944,161.753 234.219,161.65 234.487,161.529 234.746,161.39 234.996,161.235 235.234,161.064 235.462,160.877 235.676,160.676 235.877,160.462 236.064,160.234 236.235,159.996 236.39,159.746 236.529,159.487 236.65,159.219 236.753,158.944 236.839,158.663 236.906,158.376 236.953,158.086 236.982,157.794 236.991,157.518 236.99,157.5 236.99,133.75 178.45,133.75 178.45,124.6 108.01,124.6 108.01,157.5 108.009,157.518 108.018,157.794 108.047,158.086 108.094,158.376 108.161,158.663 108.247,158.944 108.35,159.219 108.471,159.487 108.61,159.746 108.765,159.996 108.936,160.234 109.123,160.462 109.324,160.676 109.538,160.877 109.766,161.064 110.004,161.235 110.254,161.39 110.513,161.529 110.781,161.65 111.056,161.753 111.337,161.839 111.624,161.906 111.914,161.953 112.206,161.982 112.482,161.991 112.5,161.99 232.5,161.99 232.518,161.991
"0V (ISO)" on Int1 (GND) (split plane): 183.45,115.35 183.45,72.9 125.725,72.9 125.725,53.01 112.5,53.01 112.482,53.009 112.206,53.018 111.914,53.047 111.624,53.094 111.337,53.161 111.056,53.247 110.781,53.35 110.513,53.471 110.254,53.61 110.004,53.765 109.766,53.936 109.538,54.123 109.324,54.324 109.123,54.538 108.936,54.766 108.765,55.004 108.61,55.254 108.471,55.513 108.35,55.781 108.247,56.056 108.161,56.337 108.094,56.624 108.047,56.914 108.018,57.206 108.009,57.482 108.01,57.5 108.01,118.6 180.2,118.6
GNDISO on Int1 (GND) (split plane): 178.45,53.01 131.725,53.01 131.725,66.9 178.45,66.9
"5V (ISO)" on Int2 (PWR) (split plane): 183.475,115.4 183.475,72.95 125.75,72.95 125.75,53.01 112.5,53.01 112.482,53.009 112.206,53.018 111.914,53.047 111.624,53.094 111.337,53.161 111.056,53.247 110.781,53.35 110.513,53.471 110.254,53.61 110.004,53.765 109.766,53.936 109.538,54.123 109.324,54.324 109.123,54.538 108.936,54.766 108.765,55.004 108.61,55.254 108.471,55.513 108.35,55.781 108.247,56.056 108.161,56.337 108.094,56.624 108.047,56.914 108.018,57.206 108.009,57.482 108.01,57.5 108.01,118.65 180.225,118.65
5V on Int2 (PWR) (split plane): 232.794,161.982 233.086,161.953 233.376,161.906 233.663,161.839 233.944,161.753 234.219,161.65 234.487,161.529 234.746,161.39 234.996,161.235 235.234,161.064 235.462,160.877 235.676,160.676 235.877,160.462 236.064,160.234 236.235,159.996 236.39,159.746 236.529,159.487 236.65,159.219 236.753,158.944 236.839,158.663 236.906,158.376 236.953,158.086 236.982,157.794 236.991,157.518 236.99,157.5 236.99,133.8 178.475,133.8 178.475,124.65 108.01,124.65 108.01,157.5 108.009,157.518 108.018,157.794 108.047,158.086 108.094,158.376 108.161,158.663 108.247,158.944 108.35,159.219 108.471,159.487 108.61,159.746 108.765,159.996 108.936,160.234 109.123,160.462 109.324,160.676 109.538,160.877 109.766,161.064 110.004,161.235 110.254,161.39 110.513,161.529 110.781,161.65 111.056,161.753 111.337,161.839 111.624,161.906 111.914,161.953 112.206,161.982 112.482,161.991 112.5,161.99 232.5,161.99 232.518,161.991
VDDISO on Int2 (PWR) (split plane): 178.475,53.01 131.75,53.01 131.75,66.95 178.475,66.95
"3.3V (ISO)" on Int2 (PWR) (split plane): 163.871,101.946 163.871,87.029 160.971,84.129 118.054,84.129 115.129,87.054 115.129,101.946 118.054,104.871 160.946,104.871

## Keep-outs
Keep-Out Layer:
  circle w0.254: c232.5,157.5 r5
  circle w0.254: c112.5,57.5 r5
  circle w0.254: c112.5,157.5 r5
  circle w0.254: c232.5,57.5 r5
  lines w0.254: 107.5,57.5 ccw(c112.5,57.5) 112.5,52.5 232.5,52.5 ccw(c232.5,57.5) 237.5,57.5 237.5,157.5 ccw(c232.5,157.5) 232.5,162.5 112.5,162.5 ccw(c112.5,157.5) 107.5,157.5 107.5,57.5

## Other copper
Top Layer:
  pour cut-out: 123.463,160.938 127.937,160.938 127.937,154.812 123.463,154.812
  region: 110.5,113.2
Bottom Layer:
  pour cut-out: 143.321,158.616 144.338,159.633 145.39,159.633 145.814,159.629 146.783,158.66 146.783,157.14 145.814,156.171 144.754,156.171 144.047,156.411 143.804,156.654 143.321,157.136
  pour cut-out: 137.705,93.572 138.305,93.572 138.967,92.91 138.967,92.31 138.305,91.648 137.705,91.648 137.043,92.31 137.043,92.91
  pour cut-out: 122.895,96.184 123.495,96.184 124.157,95.522 124.157,94.922 123.495,94.26 122.895,94.26 122.232,94.922 122.232,95.522
  pour cut-out: 122.895,93.644 123.495,93.644 124.157,92.982 124.157,92.382 123.495,91.72 122.895,91.72 122.232,92.382 122.232,92.982
  pour cut-out: 137.15,86.75
  pour cut-out: 111.657,65.102 111.657,64.47 112.035,64.092 113.345,64.092 113.369,64.116 114.047,64.116 114.433,64.502 114.433,65.134 114.055,65.512 112.035,65.512 111.94,65.417
Int1 (GND) (plane layer: these items are gaps in the copper):
  rectangle: 111.5,63.875 115.075,72.6
  rectangle: 136.95,84.975 139.2,87.075
  rectangle: 137,91.575 138.9,93.6
  rectangle: 121.975,91.55 124.425,96.45
  rectangle: 143.15,156.075 147.05,159.75
  region: 107.5,118.6 180.2,118.6 183.45,115.35 183.45,72.9 125.725,72.9 125.725,52.5 131.725,52.5 131.725,66.9 178.45,66.9 178.45,52.5 237.5,52.5 237.5,127.75 237.5,133.75 178.45,133.75 178.45,124.6 107.5,124.6
Int2 (PWR) (plane layer: these items are gaps in the copper):
  region: 107.525,118.65 180.225,118.65 183.475,115.4 183.475,72.95 125.75,72.95 125.75,52.55 131.75,52.55 131.75,66.95 178.475,66.95 178.475,52.55 237.525,52.55 237.525,127.8 237.525,133.8 178.475,133.8 178.475,124.65 107.525,124.65
  lines w0.254: 161,84 118,84 115,87 115,102 118,105 130,105 161,105 164,102 164,87 164,86.975 161.025,84 ; 175.4,109.7 176.6,108.5

## Silkscreen, mask and mechanical layers (free items; w line width, h text height)
Top Overlay:
  drawing of 49 lines, arcs and shapes, not listed
  text "M4" at 117.75,153.925 h0.8
  text "HIGH VOLTAGE" at 204.951,116.737 h0.97 r270
  text "PC_13" at 118.525,86.275 h0.8
  text "TX" at 118.45,83.75 h0.8
  text "RX" at 118.525,81.25 h0.8
  text "HIGH VOLTAGE" at 203.951,73.237 h0.97 r270
  text "Team Swinburne" at 191.406,59.818 h3.05
  text "Formula SAE" at 202.582,58.421 h1.78
  text "Discharge Module R2" at 205.006,57.532 h1.02
  text "30/03/2020 - P.M.C" at 205.872,56.543 h1.02
Bottom Overlay:
  circle w0.254: c112.5,57.5 r5
  circle w0.254: c112.5,157.5 r5
  circle w0.254: c232.5,157.5 r5
  circle w0.254: c232.5,57.5 r5
  rectangle: 144.555,137.825 149.675,140.37
  region: 230.895,103.499 229.204,103.982 229.407,103.469 228.344,103.772 228.344,104 227.946,103.602 228.344,103.203 228.344,103.385 229.938,102.884 229.619,103.522 230.895,102.884
  region: 218.25,56.847 216.56,57.33 216.762,56.816 215.699,57.12 215.699,57.348 215.301,56.949 215.699,56.551 215.699,56.733 217.293,56.232 216.975,56.87 218.25,56.232
  lines w0.254: 107.5,118.6 180.2,118.6 183.45,115.35 183.45,72.9 125.725,72.9 125.725,52.5 ; 107.5,124.6 178.45,124.6 178.45,133.75 237.5,133.75 ; 131.725,52.5 131.725,66.9 178.45,66.9 178.45,52.5 ; 184.45,52.5 184.45,63.65 189.45,68.65 189.45,117.825 184.45,122.825 184.45,127.75 237.5,127.75
  lines w0.486: 214.785,53.43 214.785,59.909 220.275,56.693 214.785,53.43 ; 227.43,100.083 227.43,106.561 232.92,103.345 227.43,100.083
  text "OPTIONAL CAN TERM" at 172,144.25 h0.8
  text "TSAL FREQUENCY ADJUST" at 192.875,137.95 h0.8
  text "TEST" at 218.5,119.25 h2 r270
  text "+" at 218.375,113.15 h2 r270
  text "OPTIONAL CAN PULLUP" at 148.525,104.5 h0.8
  text "HIGH VOLTAGE" at 224.146,100.338 h0.97 r270
  text "1" at 125.75,94.5 h0.8
  text "TSAL REF ADJUST" at 211.5,92.775 h0.8
  text "0" at 125.75,92 h0.8
  text "1" at 118.475,90.05 h0.8
  text "0" at 123.6,90.025 h0.8
  text "3.3" at 131.615,89.993 h0.8
  text "DIO" at 134.165,89.943 h0.8
  text "CLK" at 136.74,89.918 h0.8
  text "0" at 138.49,89.893 h0.8
  text "BIAS ADJUST" at 229.925,86.075 h0.8
  text "3.3" at 131.65,83.225 h0.8
  text "0" at 138.775,83.125 h0.8
  text "RX (PA3)" at 138.475,81.95 h0.8
  text "TX  / (PA2)" at 134.175,81.9 h0.8
  text "-" at 218.1,72.85 h2 r270
  text "TEST" at 218,64.75 h2 r270
  text "PDOC REF ADJUST" at 152.075,57.8 h0.8
  text "HIGH VOLTAGE" at 211.501,53.686 h0.97 r270
Drill Drawing:
  drawing of 191 lines, arcs and shapes, not listed
  text "Symbol" at 102.932,263.85 h1.83
  text "Count" at 115.782,263.85 h1.83
  text "Hole Size" at 131.018,263.85 h1.83
  text "Plated" at 160.219,263.85 h1.83
  text "Hole Type" at 173.068,263.85 h1.83
  text "Drill Layer Pair" at 191.707,263.85 h1.83
  text "Via/Pad" at 229.795,263.85 h1.83
  text "Pad Shape" at 244.778,263.85 h1.83
  text "Template" at 263.721,263.85 h1.83
  text "Description" at 292.922,263.85 h1.83
  text "Hole Tolerance (+)" at 314.608,263.85 h1.83
  text "Hole Tolerance (-)" at 348.482,263.85 h1.83
  text "Hole Length" at 382.355,263.85 h1.83
  text "Routed Path Length" at 410.033,263.85 h1.83
  text "1" at 115.782,260.04 h1.52
  text "4.300mm (169.29mil)" at 131.018,260.04 h1.52
  text "NPTH" at 160.219,260.04 h1.52
  text "Round" at 173.068,260.04 h1.52
  text "Top Layer - Bottom Layer" at 191.707,260.04 h1.52
  text "Pad" at 229.795,260.04 h1.52
  text "Rounded" at 244.778,260.04 h1.52
  text "c700hn430" at 263.721,260.04 h1.52
  text "-" at 382.355,260.04 h1.52
  text "-" at 410.033,260.04 h1.52
  text "2" at 115.782,256.23 h1.52
  text "0.600mm (23.62mil)" at 131.018,256.23 h1.52
  text "PTH" at 160.219,256.23 h1.52
  text "Slot" at 173.068,256.23 h1.52
  text "Top Layer - Bottom Layer" at 191.707,256.23 h1.52
  text "Pad" at 229.795,256.23 h1.52
  text "Rounded" at 244.778,256.23 h1.52
  text "r170_90h60_140r100" at 263.721,256.23 h1.52
  text "1.400mm (55.12mil)" at 382.355,256.23 h1.52
  text "0.800mm (31.50mil)" at 410.033,256.23 h1.52
  text "2" at 115.782,252.42 h1.52
  text "0.600mm (23.62mil)" at 131.018,252.42 h1.52
  text "PTH" at 160.219,252.42 h1.52
  text "Slot" at 173.068,252.42 h1.52
  text "Top Layer - Bottom Layer" at 191.707,252.42 h1.52
  text "Pad" at 229.795,252.42 h1.52
  text "Rounded" at 244.778,252.42 h1.52
  text "r240_90h60_210r100" at 263.721,252.42 h1.52
  text "2.100mm (82.68mil)" at 382.355,252.42 h1.52
  text "1.500mm (59.06mil)" at 410.033,252.42 h1.52
  text "2" at 115.782,248.61 h1.52
  text "1.200mm (47.24mil)" at 131.018,248.61 h1.52
  text "PTH" at 160.219,248.61 h1.52
  text "Round" at 173.068,248.61 h1.52
  text "Top Layer - Bottom Layer" at 191.707,248.61 h1.52
  text "Pad" at 229.795,248.61 h1.52
  text "Rounded" at 244.778,248.61 h1.52
  text "c180h120" at 263.721,248.61 h1.52
  text "-" at 382.355,248.61 h1.52
  text "-" at 410.033,248.61 h1.52
  text "3" at 115.782,244.8 h1.52
  text "1.000mm (39.37mil)" at 131.018,244.8 h1.52
  text "PTH" at 160.219,244.8 h1.52
  text "Round" at 173.068,244.8 h1.52
  text "Top Layer - Bottom Layer" at 191.707,244.8 h1.52
  text "Pad" at 229.795,244.8 h1.52
  text "(Mixed)" at 244.778,244.8 h1.52
  text "(Mixed)" at 263.721,244.8 h1.52
  text "-" at 382.355,244.8 h1.52
  text "-" at 410.033,244.8 h1.52
  text "3" at 115.782,240.99 h1.52
  text "4.200mm (165.35mil)" at 131.018,240.99 h1.52
  text "NPTH" at 160.219,240.99 h1.52
  text "Round" at 173.068,240.99 h1.52
  text "Top Layer - Bottom Layer" at 191.707,240.99 h1.52
  text "Pad" at 229.795,240.99 h1.52
  text "Rounded" at 244.778,240.99 h1.52
  text "c700hn420" at 263.721,240.99 h1.52
  text "-" at 382.355,240.99 h1.52
  text "-" at 410.033,240.99 h1.52
  text "4" at 115.782,237.18 h1.52
  text "1.450mm (57.09mil)" at 131.018,237.18 h1.52
  text "PTH" at 160.219,237.18 h1.52
  text "Round" at 173.068,237.18 h1.52
  text "Top Layer - Bottom Layer" at 191.707,237.18 h1.52
  text "Pad" at 229.795,237.18 h1.52
  text "Rounded" at 244.778,237.18 h1.52
  text "c350h145" at 263.721,237.18 h1.52
  text "-" at 382.355,237.18 h1.52
  text "-" at 410.033,237.18 h1.52
  text "4" at 115.782,233.37 h1.52
  text "3.050mm (120.08mil)" at 131.018,233.37 h1.52
  text "PTH" at 160.219,233.37 h1.52
  text "Round" at 173.068,233.37 h1.52
  text "Top Layer - Bottom Layer" at 191.707,233.37 h1.52
  text "Pad" at 229.795,233.37 h1.52
  text "Rounded" at 244.778,233.37 h1.52
  text "c152h305" at 263.721,233.37 h1.52
  text "-" at 382.355,233.37 h1.52
  text "-" at 410.033,233.37 h1.52
  text "4" at 115.782,229.56 h1.52
  text "3.300mm (129.92mil)" at 131.018,229.56 h1.52
  text "NPTH" at 160.219,229.56 h1.52
  text "Round" at 173.068,229.56 h1.52
  text "Top Layer - Bottom Layer" at 191.707,229.56 h1.52
  text "Pad" at 229.795,229.56 h1.52
  text "Rounded" at 244.778,229.56 h1.52
  text "c300hn330" at 263.721,229.56 h1.52
  text "-" at 382.355,229.56 h1.52
  text "-" at 410.033,229.56 h1.52
  text "8" at 115.782,225.75 h1.52
  text "1.800mm (70.87mil)" at 131.018,225.75 h1.52
  text "PTH" at 160.219,225.75 h1.52
  text "Round" at 173.068,225.75 h1.52
  text "Top Layer - Bottom Layer" at 191.707,225.75 h1.52
  text "Pad" at 229.795,225.75 h1.52
  text "Rounded" at 244.778,225.75 h1.52
  text "c300h180" at 263.721,225.75 h1.52
  text "-" at 382.355,225.75 h1.52
  text "-" at 410.033,225.75 h1.52
  text "12" at 115.782,221.94 h1.52
  text "0.640mm (25.20mil)" at 131.018,221.94 h1.52
  text "PTH" at 160.219,221.94 h1.52
  text "Round" at 173.068,221.94 h1.52
  text "Top Layer - Bottom Layer" at 191.707,221.94 h1.52
  text "Pad" at 229.795,221.94 h1.52
  text "Rounded" at 244.778,221.94 h1.52
  text "c203h64" at 263.721,221.94 h1.52
  text "-" at 382.355,221.94 h1.52
  text "-" at 410.033,221.94 h1.52
  text "16" at 115.782,218.13 h1.52
  text "0.400mm (15.75mil)" at 131.018,218.13 h1.52
  text "PTH" at 160.219,218.13 h1.52
  text "Round" at 173.068,218.13 h1.52
  text "Top Layer - Bottom Layer" at 191.707,218.13 h1.52
  text "Pad" at 229.795,218.13 h1.52
  text "Rounded" at 244.778,218.13 h1.52
  text "c65h40" at 263.721,218.13 h1.52
  text "-" at 382.355,218.13 h1.52
  text "-" at 410.033,218.13 h1.52
  text "16" at 115.782,214.32 h1.52
  text "1.900mm (74.80mil)" at 131.018,214.32 h1.52
  text "PTH" at 160.219,214.32 h1.52
  text "Round" at 173.068,214.32 h1.52
  text "Top Layer - Bottom Layer" at 191.707,214.32 h1.52
  text "Pad" at 229.795,214.32 h1.52
  text "(Mixed)" at 244.778,214.32 h1.52
  text "(Mixed)" at 263.721,214.32 h1.52
  text "-" at 382.355,214.32 h1.52
  text "-" at 410.033,214.32 h1.52
  text "27" at 115.782,210.51 h1.52
  text "0.330mm (13.00mil)" at 131.018,210.51 h1.52
  text "PTH" at 160.219,210.51 h1.52
  text "Round" at 173.068,210.51 h1.52
  text "Top Layer - Bottom Layer" at 191.707,210.51 h1.52
  text "Via" at 229.795,210.51 h1.52
  text "Rounded" at 244.778,210.51 h1.52
  text "v66h33" at 263.721,210.51 h1.52
  text "-" at 382.355,210.51 h1.52
  text "-" at 410.033,210.51 h1.52
  text "49" at 115.782,206.7 h1.52
  text "0.900mm (35.43mil)" at 131.018,206.7 h1.52
  text "PTH" at 160.219,206.7 h1.52
  text "Round" at 173.068,206.7 h1.52
  text "Top Layer - Bottom Layer" at 191.707,206.7 h1.52
  text "Pad" at 229.795,206.7 h1.52
  text "(Mixed)" at 244.778,206.7 h1.52
  text "(Mixed)" at 263.721,206.7 h1.52
  text "-" at 382.355,206.7 h1.52
  text "-" at 410.033,206.7 h1.52
  text "247" at 115.782,202.89 h1.52
  text "0.250mm (9.84mil)" at 131.018,202.89 h1.52
  text "PTH" at 160.219,202.89 h1.52
  text "Round" at 173.068,202.89 h1.52
  text "Top Layer - Bottom Layer" at 191.707,202.89 h1.52
  text "Via" at 229.795,202.89 h1.52
  text "Rounded" at 244.778,202.89 h1.52
  text "v55h25" at 263.721,202.89 h1.52
  text "-" at 382.355,202.89 h1.52
  text "-" at 410.033,202.89 h1.52
  text "D" at 102.194,202.636 h1.69
  text "400 Total" at 115.782,199.08 h1.52
  text "Slot definitions :" at 102.932,195.398 h1.52
  text "Routed Path Length" at 129.163,195.398 h1.52
  text "= Calculated from tool start centre position to tool end centre position." at 157.17,195.398 h1.52
  text "Hole Length" at 129.163,192.858 h1.52
  text "= Routed Path Length + Tool Size = Slot length as defined in the PCB layout" at 146.76,192.858 h1.52
  text "FABRICATION NOTES" at 249.884,183.747 h3
  text "1. QUANTITY: 5" at 249.884,178.651 h3
  text "2. SIZE:" at 249.884,173.554 h3
  text "3. LAYERS: 4" at 249.884,168.458 h3
  text "4. SIGNAL LAYERS: 1,4" at 249.884,164.361 h3
  text "a) WEIGHT: 2oz" at 254.884,158.265 h3
  text "5. PLANES: 2" at 249.884,153.169 h3
  text "a) WEIGHT: 2oz" at 254.884,148.072 h3
  text "6. SOLDER MASKS: Red" at 249.884,142.976 h3
  text "7. SILKSCREEN: White" at 249.884,137.879 h3
  text "8. SURFACE FINISH: HASL (With Lead)" at 249.884,132.783 h3
  text "9 FINISHED COPPER: 2oz Cu" at 249.884,127.687 h3
  text "10. TOTAL THICKNESS: 1.6mm" at 249.884,122.59 h3

## Dimensions
112.5,157.5 to 115.472,154.528 on Top Overlay
107.5,157.5 to 237.5,157.5 on Drill Drawing
112.5,162.5 to 112.5,52.5 on Drill Drawing